# Altium PCB GEM_AFE_128.PcbDoc (part 11 of 18) (continued)
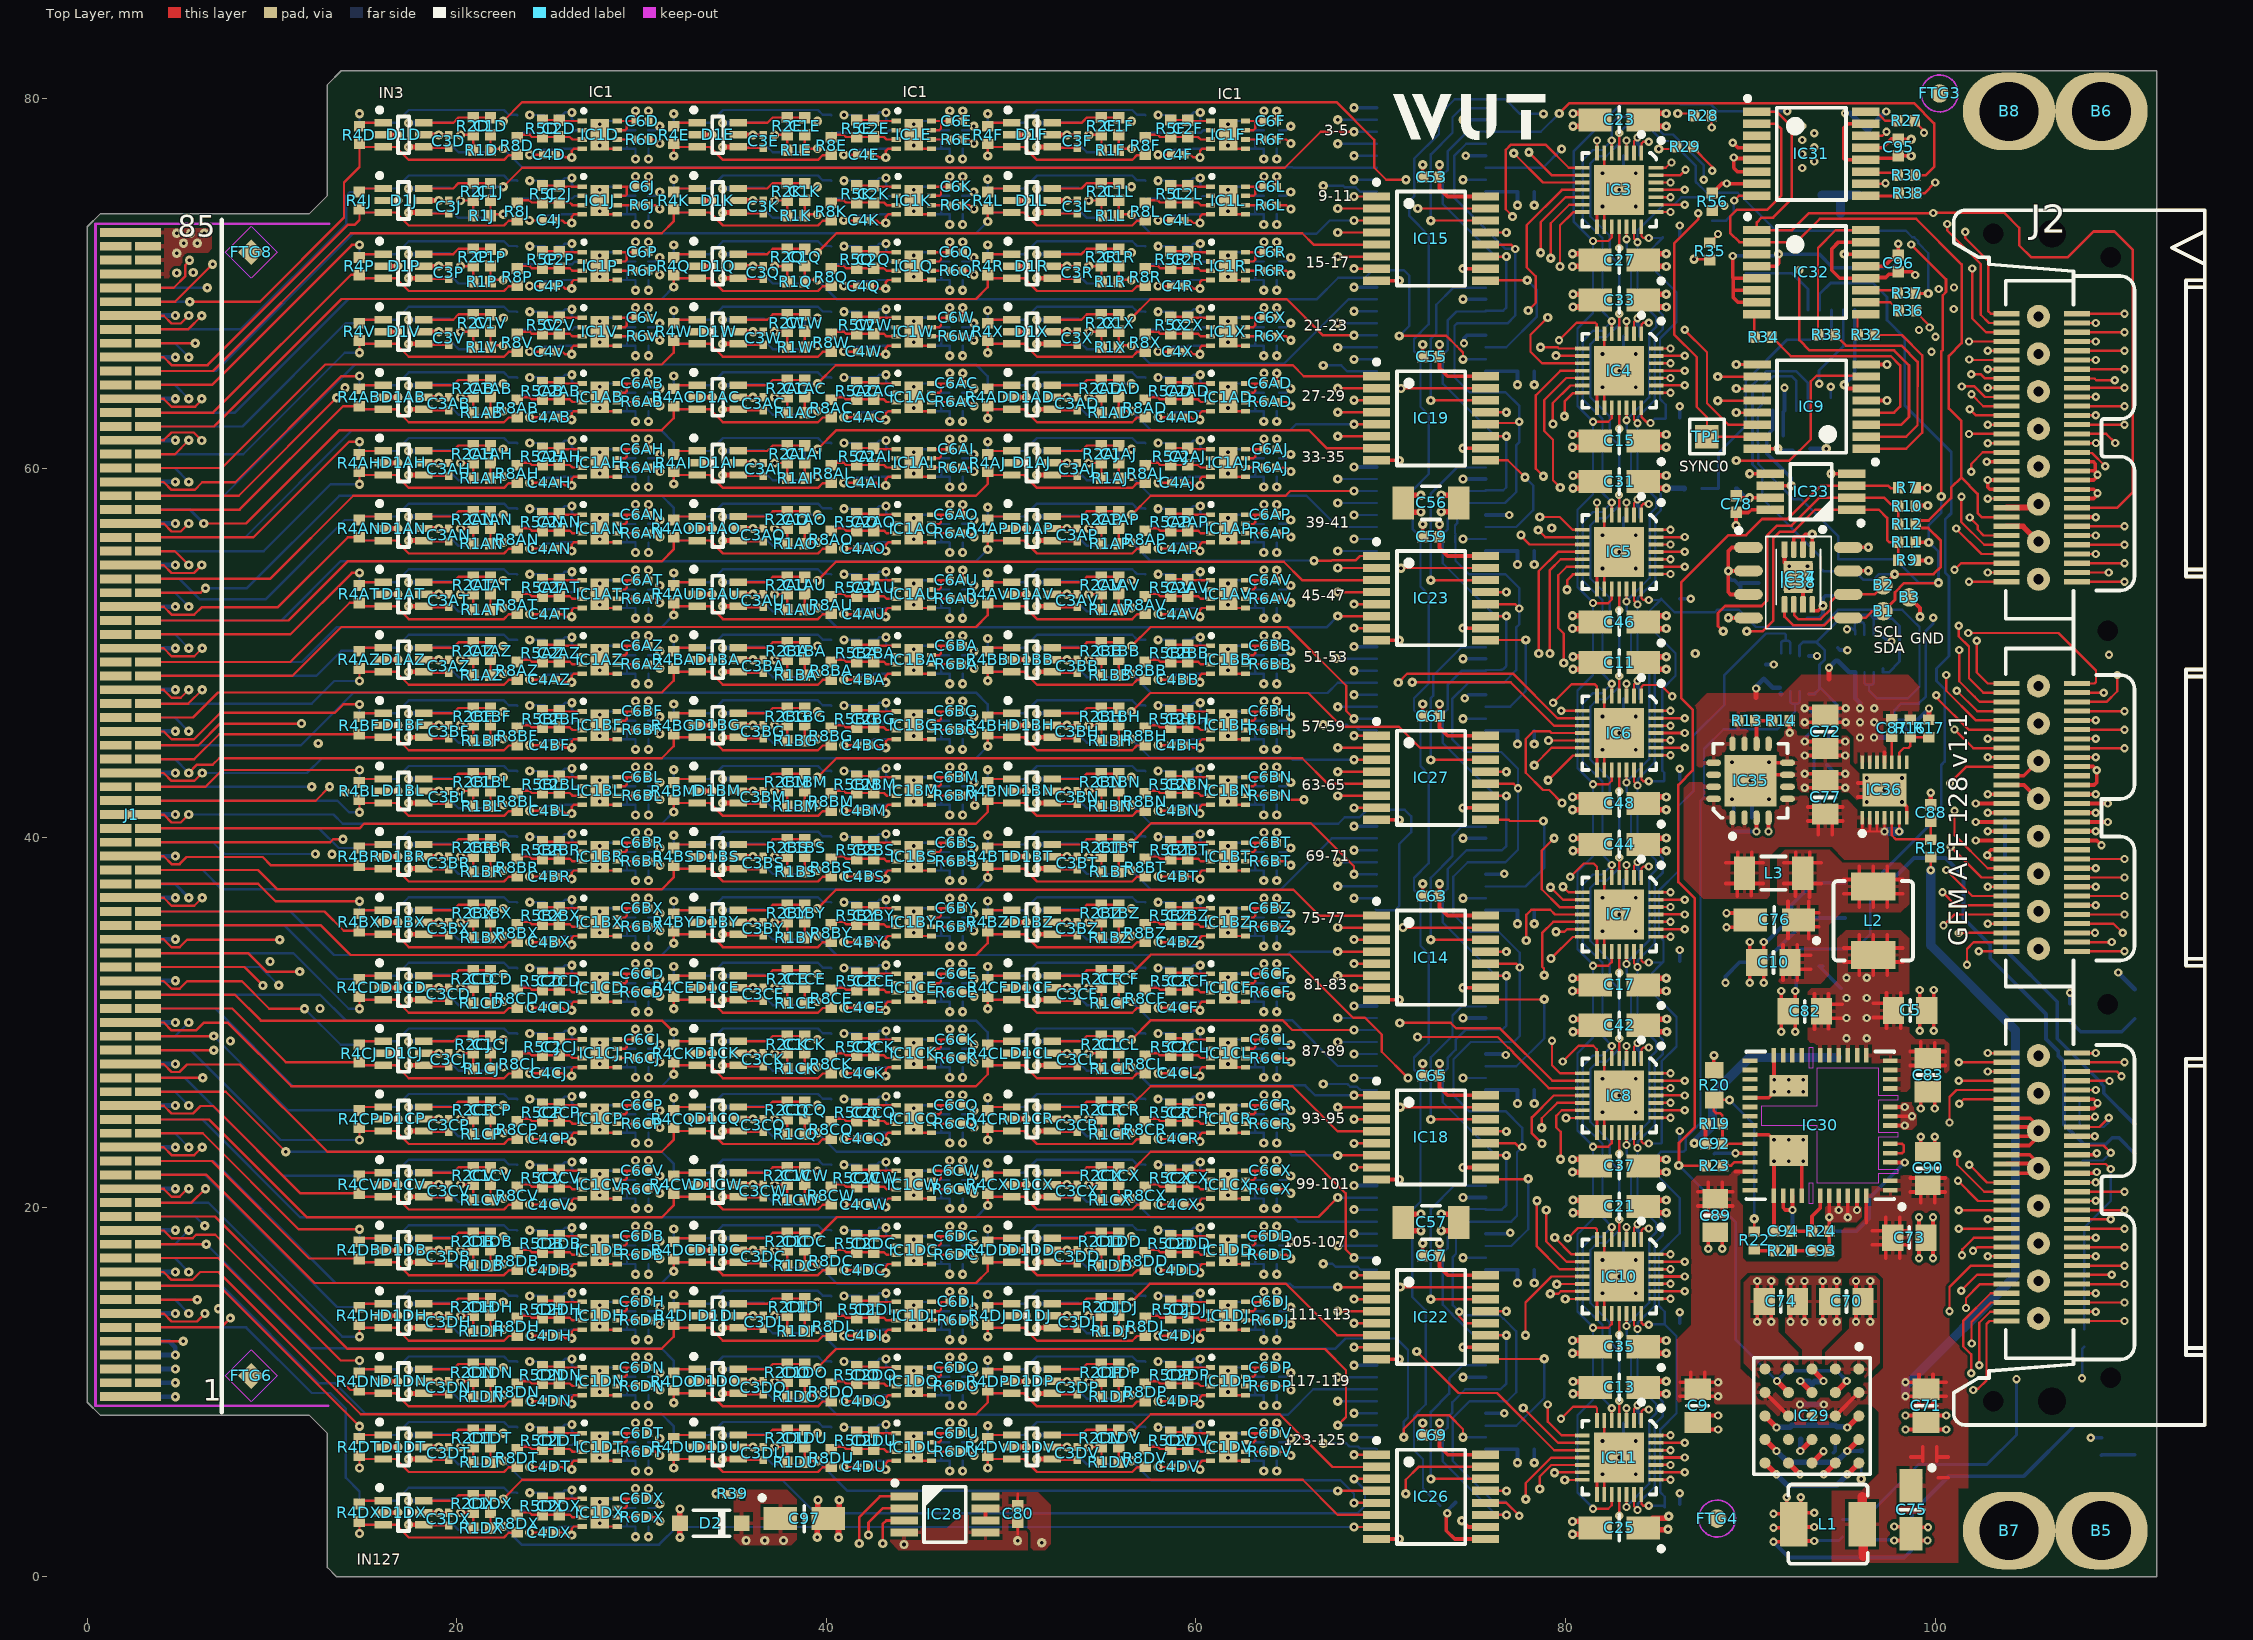
[diagram p0: Top Layer view]
## Nets (pads, with @x,y where several pads share a name; then routed paths per layer and width w, separated by ;. In a path a pad name is that pad's centre, name@x,y a point inside that pad or via, vN(x,y) a via of type N, cw(c..) or ccw(c..) an arc to the next point about the centre after c; other vN are vias at no path point) (continued)
NetC2AB_1: C2AB.1 IC1AB.3 R5AB.1 R8AB.2 | length 3.5
  Top Layer w0.127: R8AB.2@23.266,63.833 23.942,63.833 24.06,63.715 R5AB.1@24.564,63.715 ; R8AB.2@23.289,63.7 R8AB.2@23.304,63.715 ; R5AB.1@24.544,63.695 R5AB.1@24.564,63.715 ; IC1AB.3@26.575,63.575 26.258,63.575 26.118,63.715 25.543,63.715 R5AB.1@24.564,63.715
NetC2AB_2: C2AB.2 IC1AB.1 R5AB.2 | length 2.2
  Top Layer w0.127: R5AB.2@24.628,64.635 25.523,64.635 25.543,64.615 25.583,64.575 IC1AB.1@26.775,64.575
NetC2AC_1: C2AC.1 IC1AC.3 R5AC.1 R8AC.2 | length 3.5
  Top Layer w0.127: R8AC.2@40.266,63.833 40.942,63.833 41.06,63.715 R5AC.1@41.564,63.715 ; R8AC.2@40.289,63.7 R8AC.2@40.304,63.715 ; R5AC.1@41.544,63.695 R5AC.1@41.564,63.715 ; C2AC.1@42.543,63.715 R5AC.1@41.564,63.715 ; C2AC.1@42.543,63.715 43.118,63.715 43.258,63.575 IC1AC.3@43.575,63.575
NetC2AC_2: C2AC.2 IC1AC.1 R5AC.2 | length 2.2
  Top Layer w0.127: R5AC.2@41.628,64.635 42.523,64.635 42.543,64.615 42.583,64.575 IC1AC.1@43.775,64.575
NetC2AD_1: C2AD.1 IC1AD.3 R5AD.1 R8AD.2 | length 3.5
  Top Layer w0.127: R8AD.2@57.266,63.833 57.942,63.833 58.06,63.715 R5AD.1@58.564,63.715 ; R8AD.2@57.289,63.7 R8AD.2@57.304,63.715 ; R5AD.1@58.544,63.695 R5AD.1@58.564,63.715 ; IC1AD.3@60.575,63.575 60.258,63.575 60.118,63.715 59.543,63.715 R5AD.1@58.564,63.715
NetC2AD_2: C2AD.2 IC1AD.1 R5AD.2 | length 2.2
  Top Layer w0.127: R5AD.2@58.628,64.635 59.523,64.635 59.543,64.615 59.583,64.575 IC1AD.1@60.775,64.575
NetC2AE_1: C2AE.1 IC1AE.3 R5AE.1 R8AE.2 | length 3.3
  Bottom Layer w0.127: R8AE.2@23.3,60.4 R8AE.2@23.315,60.385 ; R8AE.2@23.565,60.385 24.639,60.385 26.255,60.385 26.389,60.519 26.78,60.519 IC1AE.3@26.786,60.525
NetC2AE_2: C2AE.2 IC1AE.1 R5AE.2 | length 2
  Bottom Layer w0.127: R5AE.2@24.639,59.465 25.533,59.465 25.553,59.485 25.593,59.525 IC1AE.1@26.586,59.525
NetC2AF_1: C2AF.1 IC1AF.3 R5AF.1 R8AF.2 | length 3.3
  Bottom Layer w0.127: R8AF.2@40.3,60.4 R8AF.2@40.315,60.385 ; R8AF.2@40.565,60.385 41.639,60.385 43.255,60.385 43.389,60.519 43.78,60.519 IC1AF.3@43.786,60.525
NetC2AF_2: C2AF.2 IC1AF.1 R5AF.2 | length 2
  Bottom Layer w0.127: R5AF.2@41.639,59.465 42.533,59.465 42.553,59.485 42.593,59.525 IC1AF.1@43.586,59.525
NetC2AG_1: C2AG.1 IC1AG.3 R5AG.1 R8AG.2 | length 3.3
  Bottom Layer w0.127: R8AG.2@57.3,60.4 R8AG.2@57.315,60.385 ; R8AG.2@57.565,60.385 58.639,60.385 60.255,60.385 60.389,60.519 60.78,60.519 IC1AG.3@60.786,60.525
NetC2AG_2: C2AG.2 IC1AG.1 R5AG.2 | length 2
  Bottom Layer w0.127: R5AG.2@58.639,59.465 59.533,59.465 59.553,59.485 59.593,59.525 IC1AG.1@60.586,59.525
NetC2AH_1: C2AH.1 IC1AH.3 R5AH.1 R8AH.2 | length 3.5
  Top Layer w0.127: R8AH.2@23.266,60.283 23.942,60.283 24.06,60.165 R5AH.1@24.564,60.165 ; R8AH.2@23.289,60.15 R8AH.2@23.304,60.165 ; R5AH.1@24.544,60.145 R5AH.1@24.564,60.165 ; IC1AH.3@26.575,60.025 26.258,60.025 26.118,60.165 25.543,60.165 R5AH.1@24.564,60.165
NetC2AH_2: C2AH.2 IC1AH.1 R5AH.2 | length 2.2
  Top Layer w0.127: R5AH.2@24.628,61.085 25.523,61.085 25.543,61.065 25.583,61.025 IC1AH.1@26.775,61.025
NetC2AI_1: C2AI.1 IC1AI.3 R5AI.1 R8AI.2 | length 3.5
  Top Layer w0.127: R8AI.2@40.266,60.283 40.942,60.283 41.06,60.165 R5AI.1@41.564,60.165 ; R8AI.2@40.289,60.15 R8AI.2@40.304,60.165 ; R5AI.1@41.544,60.145 R5AI.1@41.564,60.165 ; C2AI.1@42.543,60.165 R5AI.1@41.564,60.165 ; C2AI.1@42.543,60.165 43.118,60.165 43.258,60.025 IC1AI.3@43.575,60.025
NetC2AI_2: C2AI.2 IC1AI.1 R5AI.2 | length 2.2
  Top Layer w0.127: R5AI.2@41.628,61.085 42.523,61.085 42.543,61.065 42.583,61.025 IC1AI.1@43.775,61.025
NetC2AJ_1: C2AJ.1 IC1AJ.3 R5AJ.1 R8AJ.2 | length 3.5
  Top Layer w0.127: R8AJ.2@57.266,60.283 57.942,60.283 58.06,60.165 R5AJ.1@58.564,60.165 ; R8AJ.2@57.289,60.15 R8AJ.2@57.304,60.165 ; R5AJ.1@58.544,60.145 R5AJ.1@58.564,60.165 ; IC1AJ.3@60.575,60.025 60.258,60.025 60.118,60.165 59.543,60.165 R5AJ.1@58.564,60.165
NetC2AJ_2: C2AJ.2 IC1AJ.1 R5AJ.2 | length 2.2
  Top Layer w0.127: R5AJ.2@58.628,61.085 59.523,61.085 59.543,61.065 59.583,61.025 IC1AJ.1@60.775,61.025
NetC2AK_1: C2AK.1 IC1AK.3 R5AK.1 R8AK.2 | length 3.3
  Bottom Layer w0.127: R8AK.2@23.3,56.85 R8AK.2@23.315,56.835 ; R8AK.2@23.565,56.835 24.639,56.835 26.255,56.835 26.389,56.969 26.78,56.969 IC1AK.3@26.786,56.975
NetC2AK_2: C2AK.2 IC1AK.1 R5AK.2 | length 2
  Bottom Layer w0.127: R5AK.2@24.639,55.915 25.533,55.915 25.553,55.935 25.593,55.975 IC1AK.1@26.586,55.975
NetC2AL_1: C2AL.1 IC1AL.3 R5AL.1 R8AL.2 | length 3.3
  Bottom Layer w0.127: R8AL.2@40.3,56.85 R8AL.2@40.315,56.835 ; R8AL.2@40.565,56.835 41.639,56.835 43.255,56.835 43.389,56.969 43.78,56.969 IC1AL.3@43.786,56.975
NetC2AL_2: C2AL.2 IC1AL.1 R5AL.2 | length 2
  Bottom Layer w0.127: R5AL.2@41.639,55.915 42.533,55.915 42.553,55.935 42.593,55.975 IC1AL.1@43.586,55.975
NetC2AM_1: C2AM.1 IC1AM.3 R5AM.1 R8AM.2 | length 3.3
  Bottom Layer w0.127: R8AM.2@57.3,56.85 R8AM.2@57.315,56.835 ; R8AM.2@57.565,56.835 58.639,56.835 60.255,56.835 60.389,56.969 60.78,56.969 IC1AM.3@60.786,56.975
NetC2AM_2: C2AM.2 IC1AM.1 R5AM.2 | length 2
  Bottom Layer w0.127: R5AM.2@58.639,55.915 59.533,55.915 59.553,55.935 59.593,55.975 IC1AM.1@60.586,55.975
NetC2AN_1: C2AN.1 IC1AN.3 R5AN.1 R8AN.2 | length 3.5
  Top Layer w0.127: R8AN.2@23.266,56.733 23.942,56.733 24.06,56.615 R5AN.1@24.564,56.615 ; R8AN.2@23.289,56.6 R8AN.2@23.304,56.615 ; R5AN.1@24.544,56.595 R5AN.1@24.564,56.615 ; IC1AN.3@26.575,56.475 26.258,56.475 26.118,56.615 25.543,56.615 R5AN.1@24.564,56.615
NetC2AN_2: C2AN.2 IC1AN.1 R5AN.2 | length 2.2
  Top Layer w0.127: R5AN.2@24.628,57.535 25.523,57.535 25.543,57.515 25.583,57.475 IC1AN.1@26.775,57.475
NetC2AO_1: C2AO.1 IC1AO.3 R5AO.1 R8AO.2 | length 3.5
  Top Layer w0.127: R8AO.2@40.266,56.733 40.942,56.733 41.06,56.615 R5AO.1@41.564,56.615 ; R8AO.2@40.289,56.6 R8AO.2@40.304,56.615 ; R5AO.1@41.544,56.595 R5AO.1@41.564,56.615 ; C2AO.1@42.543,56.615 R5AO.1@41.564,56.615 ; C2AO.1@42.543,56.615 43.118,56.615 43.258,56.475 IC1AO.3@43.575,56.475
NetC2AO_2: C2AO.2 IC1AO.1 R5AO.2 | length 2.2
  Top Layer w0.127: R5AO.2@41.628,57.535 42.523,57.535 42.543,57.515 42.583,57.475 IC1AO.1@43.775,57.475
NetC2AP_1: C2AP.1 IC1AP.3 R5AP.1 R8AP.2 | length 3.5
  Top Layer w0.127: R8AP.2@57.266,56.733 57.942,56.733 58.06,56.615 R5AP.1@58.564,56.615 ; R8AP.2@57.289,56.6 R8AP.2@57.304,56.615 ; R5AP.1@58.544,56.595 R5AP.1@58.564,56.615 ; IC1AP.3@60.575,56.475 60.258,56.475 60.118,56.615 59.543,56.615 R5AP.1@58.564,56.615
NetC2AP_2: C2AP.2 IC1AP.1 R5AP.2 | length 2.2
  Top Layer w0.127: R5AP.2@58.628,57.535 59.523,57.535 59.543,57.515 59.583,57.475 IC1AP.1@60.775,57.475
NetC2AQ_1: C2AQ.1 IC1AQ.3 R5AQ.1 R8AQ.2 | length 3.3
  Bottom Layer w0.127: R8AQ.2@23.3,53.3 R8AQ.2@23.315,53.285 ; R8AQ.2@23.565,53.285 24.639,53.285 26.255,53.285 26.389,53.419 26.78,53.419 IC1AQ.3@26.786,53.425
NetC2AQ_2: C2AQ.2 IC1AQ.1 R5AQ.2 | length 2
  Bottom Layer w0.127: R5AQ.2@24.639,52.365 25.533,52.365 25.553,52.385 25.593,52.425 IC1AQ.1@26.586,52.425
NetC2AR_1: C2AR.1 IC1AR.3 R5AR.1 R8AR.2 | length 3.3
  Bottom Layer w0.127: R8AR.2@40.3,53.3 R8AR.2@40.315,53.285 ; R8AR.2@40.565,53.285 41.639,53.285 43.255,53.285 43.389,53.419 43.78,53.419 IC1AR.3@43.786,53.425
NetC2AR_2: C2AR.2 IC1AR.1 R5AR.2 | length 2
  Bottom Layer w0.127: R5AR.2@41.639,52.365 42.533,52.365 42.553,52.385 42.593,52.425 IC1AR.1@43.586,52.425
NetC2AS_1: C2AS.1 IC1AS.3 R5AS.1 R8AS.2 | length 3.3
  Bottom Layer w0.127: R8AS.2@57.3,53.3 R8AS.2@57.315,53.285 ; R8AS.2@57.565,53.285 58.639,53.285 60.255,53.285 60.389,53.419 60.78,53.419 IC1AS.3@60.786,53.425
NetC2AS_2: C2AS.2 IC1AS.1 R5AS.2 | length 2
  Bottom Layer w0.127: R5AS.2@58.639,52.365 59.533,52.365 59.553,52.385 59.593,52.425 IC1AS.1@60.586,52.425
NetC2AT_1: C2AT.1 IC1AT.3 R5AT.1 R8AT.2 | length 3.5
  Top Layer w0.127: R8AT.2@23.266,53.183 23.942,53.183 24.06,53.065 R5AT.1@24.564,53.065 ; R8AT.2@23.289,53.05 R8AT.2@23.304,53.065 ; R5AT.1@24.544,53.045 R5AT.1@24.564,53.065 ; IC1AT.3@26.575,52.925 26.258,52.925 26.118,53.065 25.543,53.065 R5AT.1@24.564,53.065
NetC2AT_2: C2AT.2 IC1AT.1 R5AT.2 | length 2.2
  Top Layer w0.127: R5AT.2@24.628,53.985 25.523,53.985 25.543,53.965 25.583,53.925 IC1AT.1@26.775,53.925
NetC2AU_1: C2AU.1 IC1AU.3 R5AU.1 R8AU.2 | length 3.5
  Top Layer w0.127: R8AU.2@40.266,53.183 40.942,53.183 41.06,53.065 R5AU.1@41.564,53.065 ; R8AU.2@40.289,53.05 R8AU.2@40.304,53.065 ; R5AU.1@41.544,53.045 R5AU.1@41.564,53.065 ; C2AU.1@42.543,53.065 R5AU.1@41.564,53.065 ; C2AU.1@42.543,53.065 43.118,53.065 43.258,52.925 IC1AU.3@43.575,52.925
NetC2AU_2: C2AU.2 IC1AU.1 R5AU.2 | length 2.2
  Top Layer w0.127: R5AU.2@41.628,53.985 42.523,53.985 42.543,53.965 42.583,53.925 IC1AU.1@43.775,53.925
NetC2AV_1: C2AV.1 IC1AV.3 R5AV.1 R8AV.2 | length 3.5
  Top Layer w0.127: R8AV.2@57.266,53.183 57.942,53.183 58.06,53.065 R5AV.1@58.564,53.065 ; R8AV.2@57.289,53.05 R8AV.2@57.304,53.065 ; R5AV.1@58.544,53.045 R5AV.1@58.564,53.065 ; IC1AV.3@60.575,52.925 60.258,52.925 60.118,53.065 59.543,53.065 R5AV.1@58.564,53.065
NetC2AV_2: C2AV.2 IC1AV.1 R5AV.2 | length 2.2
  Top Layer w0.127: R5AV.2@58.628,53.985 59.523,53.985 59.543,53.965 59.583,53.925 IC1AV.1@60.775,53.925
NetC2AW_1: C2AW.1 IC1AW.3 R5AW.1 R8AW.2 | length 3.3
  Bottom Layer w0.127: R8AW.2@23.3,49.75 R8AW.2@23.315,49.735 ; R8AW.2@23.565,49.735 24.639,49.735 26.255,49.735 26.389,49.869 26.78,49.869 IC1AW.3@26.786,49.875
NetC2AW_2: C2AW.2 IC1AW.1 R5AW.2 | length 2
  Bottom Layer w0.127: R5AW.2@24.639,48.815 25.533,48.815 25.553,48.835 25.593,48.875 IC1AW.1@26.586,48.875
NetC2AX_1: C2AX.1 IC1AX.3 R5AX.1 R8AX.2 | length 3.3
  Bottom Layer w0.127: R8AX.2@40.3,49.75 R8AX.2@40.315,49.735 ; R8AX.2@40.565,49.735 41.639,49.735 43.255,49.735 43.389,49.869 43.78,49.869 IC1AX.3@43.786,49.875
NetC2AX_2: C2AX.2 IC1AX.1 R5AX.2 | length 2
  Bottom Layer w0.127: R5AX.2@41.639,48.815 42.533,48.815 42.553,48.835 42.593,48.875 IC1AX.1@43.586,48.875
NetC2AY_1: C2AY.1 IC1AY.3 R5AY.1 R8AY.2 | length 3.3
  Bottom Layer w0.127: R8AY.2@57.3,49.75 R8AY.2@57.315,49.735 ; R8AY.2@57.565,49.735 58.639,49.735 60.255,49.735 60.389,49.869 60.78,49.869 IC1AY.3@60.786,49.875
NetC2AY_2: C2AY.2 IC1AY.1 R5AY.2 | length 2
  Bottom Layer w0.127: R5AY.2@58.639,48.815 59.533,48.815 59.553,48.835 59.593,48.875 IC1AY.1@60.586,48.875
NetC2AZ_1: C2AZ.1 IC1AZ.3 R5AZ.1 R8AZ.2 | length 3.5
  Top Layer w0.127: R8AZ.2@23.266,49.633 23.942,49.633 24.06,49.515 R5AZ.1@24.564,49.515 ; R8AZ.2@23.289,49.5 R8AZ.2@23.304,49.515 ; R5AZ.1@24.544,49.495 R5AZ.1@24.564,49.515 ; IC1AZ.3@26.575,49.375 26.258,49.375 26.118,49.515 25.543,49.515 R5AZ.1@24.564,49.515
NetC2AZ_2: C2AZ.2 IC1AZ.1 R5AZ.2 | length 2.2
  Top Layer w0.127: R5AZ.2@24.628,50.435 25.523,50.435 25.543,50.415 25.583,50.375 IC1AZ.1@26.775,50.375
NetC2B_1: C2B.1 IC1B.3 R5B.1 R8B.2 | length 3.3
  Bottom Layer w0.127: R8B.2@40.3,78.15 R8B.2@40.315,78.135 ; R8B.2@40.565,78.135 41.639,78.135 43.255,78.135 43.389,78.269 43.78,78.269 IC1B.3@43.786,78.275
NetC2B_2: C2B.2 IC1B.1 R5B.2 | length 2
  Bottom Layer w0.127: R5B.2@41.639,77.215 42.533,77.215 42.553,77.235 42.593,77.275 IC1B.1@43.586,77.275
NetC2BA_1: C2BA.1 IC1BA.3 R5BA.1 R8BA.2 | length 3.5
  Top Layer w0.127: R8BA.2@40.266,49.633 40.942,49.633 41.06,49.515 R5BA.1@41.564,49.515 ; R8BA.2@40.289,49.5 R8BA.2@40.304,49.515 ; R5BA.1@41.544,49.495 R5BA.1@41.564,49.515 ; C2BA.1@42.543,49.515 R5BA.1@41.564,49.515 ; C2BA.1@42.543,49.515 43.118,49.515 43.258,49.375 IC1BA.3@43.575,49.375
NetC2BA_2: C2BA.2 IC1BA.1 R5BA.2 | length 2.2
  Top Layer w0.127: R5BA.2@41.628,50.435 42.523,50.435 42.543,50.415 42.583,50.375 IC1BA.1@43.775,50.375
NetC2BB_1: C2BB.1 IC1BB.3 R5BB.1 R8BB.2 | length 3.5
  Top Layer w0.127: R8BB.2@57.266,49.633 57.942,49.633 58.06,49.515 R5BB.1@58.564,49.515 ; R8BB.2@57.289,49.5 R8BB.2@57.304,49.515 ; R5BB.1@58.544,49.495 R5BB.1@58.564,49.515 ; IC1BB.3@60.575,49.375 60.258,49.375 60.118,49.515 59.543,49.515 R5BB.1@58.564,49.515
NetC2BB_2: C2BB.2 IC1BB.1 R5BB.2 | length 2.2
  Top Layer w0.127: R5BB.2@58.628,50.435 59.523,50.435 59.543,50.415 59.583,50.375 IC1BB.1@60.775,50.375
NetC2BC_1: C2BC.1 IC1BC.3 R5BC.1 R8BC.2 | length 3.3
  Bottom Layer w0.127: R8BC.2@23.3,46.2 R8BC.2@23.315,46.185 ; R8BC.2@23.565,46.185 24.639,46.185 26.255,46.185 26.389,46.319 26.78,46.319 IC1BC.3@26.786,46.325
NetC2BC_2: C2BC.2 IC1BC.1 R5BC.2 | length 2
  Bottom Layer w0.127: R5BC.2@24.639,45.265 25.533,45.265 25.553,45.285 25.593,45.325 IC1BC.1@26.586,45.325
NetC2BD_1: C2BD.1 IC1BD.3 R5BD.1 R8BD.2 | length 3.3
  Bottom Layer w0.127: R8BD.2@40.3,46.2 R8BD.2@40.315,46.185 ; R8BD.2@40.565,46.185 41.639,46.185 43.255,46.185 43.389,46.319 43.78,46.319 IC1BD.3@43.786,46.325
NetC2BD_2: C2BD.2 IC1BD.1 R5BD.2 | length 2
  Bottom Layer w0.127: R5BD.2@41.639,45.265 42.533,45.265 42.553,45.285 42.593,45.325 IC1BD.1@43.586,45.325
NetC2BE_1: C2BE.1 IC1BE.3 R5BE.1 R8BE.2 | length 3.3
  Bottom Layer w0.127: R8BE.2@57.3,46.2 R8BE.2@57.315,46.185 ; R8BE.2@57.565,46.185 58.639,46.185 60.255,46.185 60.389,46.319 60.78,46.319 IC1BE.3@60.786,46.325
NetC2BE_2: C2BE.2 IC1BE.1 R5BE.2 | length 2
  Bottom Layer w0.127: R5BE.2@58.639,45.265 59.533,45.265 59.553,45.285 59.593,45.325 IC1BE.1@60.586,45.325
NetC2BF_1: C2BF.1 IC1BF.3 R5BF.1 R8BF.2 | length 3.5
  Top Layer w0.127: R8BF.2@23.266,46.083 23.942,46.083 24.06,45.965 R5BF.1@24.564,45.965 ; R8BF.2@23.289,45.95 R8BF.2@23.304,45.965 ; R5BF.1@24.544,45.945 R5BF.1@24.564,45.965 ; C2BF.1@25.543,45.965 26.118,45.965 26.258,45.825 IC1BF.3@26.575,45.825 ; C2BF.1@25.543,45.965 R5BF.1@24.564,45.965
NetC2BF_2: C2BF.2 IC1BF.1 R5BF.2 | length 2.2
  Top Layer w0.127: R5BF.2@24.628,46.885 25.523,46.885 25.543,46.865 25.583,46.825 IC1BF.1@26.775,46.825
NetC2BG_1: C2BG.1 IC1BG.3 R5BG.1 R8BG.2 | length 3.5
  Top Layer w0.127: R8BG.2@40.266,46.083 40.942,46.083 41.06,45.965 R5BG.1@41.564,45.965 ; R8BG.2@40.289,45.95 R8BG.2@40.304,45.965 ; R5BG.1@41.544,45.945 R5BG.1@41.564,45.965 ; C2BG.1@42.543,45.965 R5BG.1@41.564,45.965 ; C2BG.1@42.543,45.965 43.118,45.965 43.258,45.825 IC1BG.3@43.575,45.825
NetC2BG_2: C2BG.2 IC1BG.1 R5BG.2 | length 2.2
  Top Layer w0.127: R5BG.2@41.628,46.885 42.523,46.885 42.543,46.865 42.583,46.825 IC1BG.1@43.775,46.825
NetC2BH_1: C2BH.1 IC1BH.3 R5BH.1 R8BH.2 | length 3.5
  Top Layer w0.127: R8BH.2@57.266,46.083 57.942,46.083 58.06,45.965 R5BH.1@58.564,45.965 ; R8BH.2@57.289,45.95 R8BH.2@57.304,45.965 ; R5BH.1@58.544,45.945 R5BH.1@58.564,45.965 ; C2BH.1@59.543,45.965 60.118,45.965 60.258,45.825 IC1BH.3@60.575,45.825 ; C2BH.1@59.543,45.965 R5BH.1@58.564,45.965
NetC2BH_2: C2BH.2 IC1BH.1 R5BH.2 | length 2.2
  Top Layer w0.127: R5BH.2@58.628,46.885 59.523,46.885 59.543,46.865 59.583,46.825 IC1BH.1@60.775,46.825
NetC2BI_1: C2BI.1 IC1BI.3 R5BI.1 R8BI.2 | length 3.3
  Bottom Layer w0.127: R8BI.2@23.3,42.65 R8BI.2@23.315,42.635 ; R8BI.2@23.565,42.635 24.639,42.635 26.255,42.635 26.389,42.769 26.78,42.769 IC1BI.3@26.786,42.775
NetC2BI_2: C2BI.2 IC1BI.1 R5BI.2 | length 2
  Bottom Layer w0.127: R5BI.2@24.639,41.715 25.533,41.715 25.553,41.735 25.593,41.775 IC1BI.1@26.586,41.775
NetC2BJ_1: C2BJ.1 IC1BJ.3 R5BJ.1 R8BJ.2 | length 3.3
  Bottom Layer w0.127: R8BJ.2@40.3,42.65 R8BJ.2@40.315,42.635 ; R8BJ.2@40.565,42.635 41.639,42.635 43.255,42.635 43.389,42.769 43.78,42.769 IC1BJ.3@43.786,42.775
NetC2BJ_2: C2BJ.2 IC1BJ.1 R5BJ.2 | length 2
  Bottom Layer w0.127: R5BJ.2@41.639,41.715 42.533,41.715 42.553,41.735 42.593,41.775 IC1BJ.1@43.586,41.775
NetC2BK_1: C2BK.1 IC1BK.3 R5BK.1 R8BK.2 | length 3.3
  Bottom Layer w0.127: R8BK.2@57.3,42.65 R8BK.2@57.315,42.635 ; R8BK.2@57.565,42.635 58.639,42.635 60.255,42.635 60.389,42.769 60.78,42.769 IC1BK.3@60.786,42.775
NetC2BK_2: C2BK.2 IC1BK.1 R5BK.2 | length 2
  Bottom Layer w0.127: R5BK.2@58.639,41.715 59.533,41.715 59.553,41.735 59.593,41.775 IC1BK.1@60.586,41.775
NetC2BL_1: C2BL.1 IC1BL.3 R5BL.1 R8BL.2 | length 3.5
  Top Layer w0.127: R8BL.2@23.266,42.533 23.942,42.533 24.06,42.415 R5BL.1@24.564,42.415 ; R8BL.2@23.289,42.4 R8BL.2@23.304,42.415 ; R5BL.1@24.544,42.395 R5BL.1@24.564,42.415 ; IC1BL.3@26.575,42.275 26.258,42.275 26.118,42.415 25.543,42.415 R5BL.1@24.564,42.415
NetC2BL_2: C2BL.2 IC1BL.1 R5BL.2 | length 2.2
  Top Layer w0.127: R5BL.2@24.628,43.335 25.523,43.335 25.543,43.315 25.583,43.275 IC1BL.1@26.775,43.275
NetC2BM_1: C2BM.1 IC1BM.3 R5BM.1 R8BM.2 | length 3.5
  Top Layer w0.127: R8BM.2@40.266,42.533 40.942,42.533 41.06,42.415 R5BM.1@41.564,42.415 ; R8BM.2@40.289,42.4 R8BM.2@40.304,42.415 ; R5BM.1@41.544,42.395 R5BM.1@41.564,42.415 ; C2BM.1@42.543,42.415 R5BM.1@41.564,42.415 ; C2BM.1@42.543,42.415 43.118,42.415 43.258,42.275 IC1BM.3@43.575,42.275
NetC2BM_2: C2BM.2 IC1BM.1 R5BM.2 | length 2.2
  Top Layer w0.127: R5BM.2@41.628,43.335 42.523,43.335 42.543,43.315 42.583,43.275 IC1BM.1@43.775,43.275
NetC2BN_1: C2BN.1 IC1BN.3 R5BN.1 R8BN.2 | length 3.5
  Top Layer w0.127: R8BN.2@57.266,42.533 57.942,42.533 58.06,42.415 R5BN.1@58.564,42.415 ; R8BN.2@57.289,42.4 R8BN.2@57.304,42.415 ; R5BN.1@58.544,42.395 R5BN.1@58.564,42.415 ; IC1BN.3@60.575,42.275 60.258,42.275 60.118,42.415 59.543,42.415 R5BN.1@58.564,42.415
NetC2BN_2: C2BN.2 IC1BN.1 R5BN.2 | length 2.2
  Top Layer w0.127: R5BN.2@58.628,43.335 59.523,43.335 59.543,43.315 59.583,43.275 IC1BN.1@60.775,43.275
NetC2BO_1: C2BO.1 IC1BO.3 R5BO.1 R8BO.2 | length 3.3
  Bottom Layer w0.127: R8BO.2@23.3,39.1 R8BO.2@23.315,39.085 ; R8BO.2@23.565,39.085 24.639,39.085 26.255,39.085 26.389,39.219 26.78,39.219 IC1BO.3@26.786,39.225
NetC2BO_2: C2BO.2 IC1BO.1 R5BO.2 | length 2
  Bottom Layer w0.127: R5BO.2@24.639,38.165 25.533,38.165 25.553,38.185 25.593,38.225 IC1BO.1@26.586,38.225
NetC2BP_1: C2BP.1 IC1BP.3 R5BP.1 R8BP.2 | length 3.3
  Bottom Layer w0.127: R8BP.2@40.3,39.1 R8BP.2@40.315,39.085 ; R8BP.2@40.565,39.085 41.639,39.085 43.255,39.085 43.389,39.219 43.78,39.219 IC1BP.3@43.786,39.225
NetC2BP_2: C2BP.2 IC1BP.1 R5BP.2 | length 2
  Bottom Layer w0.127: R5BP.2@41.639,38.165 42.533,38.165 42.553,38.185 42.593,38.225 IC1BP.1@43.586,38.225
NetC2BQ_1: C2BQ.1 IC1BQ.3 R5BQ.1 R8BQ.2 | length 3.3
  Bottom Layer w0.127: R8BQ.2@57.3,39.1 R8BQ.2@57.315,39.085 ; R8BQ.2@57.565,39.085 58.639,39.085 60.255,39.085 60.389,39.219 60.78,39.219 IC1BQ.3@60.786,39.225
NetC2BQ_2: C2BQ.2 IC1BQ.1 R5BQ.2 | length 2
  Bottom Layer w0.127: R5BQ.2@58.639,38.165 59.533,38.165 59.553,38.185 59.593,38.225 IC1BQ.1@60.586,38.225
NetC2BR_1: C2BR.1 IC1BR.3 R5BR.1 R8BR.2 | length 3.5
  Top Layer w0.127: R8BR.2@23.266,38.983 23.942,38.983 24.06,38.865 R5BR.1@24.564,38.865 ; R8BR.2@23.289,38.85 R8BR.2@23.304,38.865 ; R5BR.1@24.544,38.845 R5BR.1@24.564,38.865 ; IC1BR.3@26.575,38.725 26.258,38.725 26.118,38.865 25.543,38.865 R5BR.1@24.564,38.865
NetC2BR_2: C2BR.2 IC1BR.1 R5BR.2 | length 2.2
  Top Layer w0.127: R5BR.2@24.628,39.785 25.523,39.785 25.543,39.765 25.583,39.725 IC1BR.1@26.775,39.725
NetC2BS_1: C2BS.1 IC1BS.3 R5BS.1 R8BS.2 | length 3.5
  Top Layer w0.127: R8BS.2@40.266,38.983 40.942,38.983 41.06,38.865 R5BS.1@41.564,38.865 ; R8BS.2@40.289,38.85 R8BS.2@40.304,38.865 ; R5BS.1@41.544,38.845 R5BS.1@41.564,38.865 ; C2BS.1@42.543,38.865 R5BS.1@41.564,38.865 ; C2BS.1@42.543,38.865 43.118,38.865 43.258,38.725 IC1BS.3@43.575,38.725
NetC2BS_2: C2BS.2 IC1BS.1 R5BS.2 | length 2.2
  Top Layer w0.127: R5BS.2@41.628,39.785 42.523,39.785 42.543,39.765 42.583,39.725 IC1BS.1@43.775,39.725
NetC2BT_1: C2BT.1 IC1BT.3 R5BT.1 R8BT.2 | length 3.5
  Top Layer w0.127: R8BT.2@57.266,38.983 57.942,38.983 58.06,38.865 R5BT.1@58.564,38.865 ; R8BT.2@57.289,38.85 R8BT.2@57.304,38.865 ; R5BT.1@58.544,38.845 R5BT.1@58.564,38.865 ; IC1BT.3@60.575,38.725 60.258,38.725 60.118,38.865 59.543,38.865 R5BT.1@58.564,38.865
NetC2BT_2: C2BT.2 IC1BT.1 R5BT.2 | length 2.2
  Top Layer w0.127: R5BT.2@58.628,39.785 59.523,39.785 59.543,39.765 59.583,39.725 IC1BT.1@60.775,39.725
NetC2BU_1: C2BU.1 IC1BU.3 R5BU.1 R8BU.2 | length 3.3
  Bottom Layer w0.127: R8BU.2@23.3,35.55 R8BU.2@23.315,35.535 ; R8BU.2@23.565,35.535 24.639,35.535 26.255,35.535 26.389,35.669 26.78,35.669 IC1BU.3@26.786,35.675
NetC2BU_2: C2BU.2 IC1BU.1 R5BU.2 | length 2
  Bottom Layer w0.127: R5BU.2@24.639,34.615 25.533,34.615 25.553,34.635 25.593,34.675 IC1BU.1@26.586,34.675
NetC2BV_1: C2BV.1 IC1BV.3 R5BV.1 R8BV.2 | length 3.3
  Bottom Layer w0.127: R8BV.2@40.3,35.55 R8BV.2@40.315,35.535 ; R8BV.2@40.565,35.535 41.639,35.535 43.255,35.535 43.389,35.669 43.78,35.669 IC1BV.3@43.786,35.675
NetC2BV_2: C2BV.2 IC1BV.1 R5BV.2 | length 2
  Bottom Layer w0.127: R5BV.2@41.639,34.615 42.533,34.615 42.553,34.635 42.593,34.675 IC1BV.1@43.586,34.675
NetC2BW_1: C2BW.1 IC1BW.3 R5BW.1 R8BW.2 | length 3.3
  Bottom Layer w0.127: R8BW.2@57.3,35.55 R8BW.2@57.315,35.535 ; R8BW.2@57.565,35.535 58.639,35.535 60.255,35.535 60.389,35.669 60.78,35.669 IC1BW.3@60.786,35.675
NetC2BW_2: C2BW.2 IC1BW.1 R5BW.2 | length 2
  Bottom Layer w0.127: R5BW.2@58.639,34.615 59.533,34.615 59.553,34.635 59.593,34.675 IC1BW.1@60.586,34.675
NetC2BX_1: C2BX.1 IC1BX.3 R5BX.1 R8BX.2 | length 3.5
  Top Layer w0.127: R8BX.2@23.266,35.433 23.942,35.433 24.06,35.315 R5BX.1@24.564,35.315 ; R8BX.2@23.289,35.3 R8BX.2@23.304,35.315 ; R5BX.1@24.544,35.295 R5BX.1@24.564,35.315 ; IC1BX.3@26.575,35.175 26.258,35.175 26.118,35.315 25.543,35.315 R5BX.1@24.564,35.315
NetC2BX_2: C2BX.2 IC1BX.1 R5BX.2 | length 2.2
  Top Layer w0.127: R5BX.2@24.628,36.235 25.523,36.235 25.543,36.215 25.583,36.175 IC1BX.1@26.775,36.175
NetC2BY_1: C2BY.1 IC1BY.3 R5BY.1 R8BY.2 | length 3.5
  Top Layer w0.127: R8BY.2@40.266,35.433 40.942,35.433 41.06,35.315 R5BY.1@41.564,35.315 ; R8BY.2@40.289,35.3 R8BY.2@40.304,35.315 ; R5BY.1@41.544,35.295 R5BY.1@41.564,35.315 ; C2BY.1@42.543,35.315 R5BY.1@41.564,35.315 ; C2BY.1@42.543,35.315 43.118,35.315 43.258,35.175 IC1BY.3@43.575,35.175
NetC2BY_2: C2BY.2 IC1BY.1 R5BY.2 | length 2.2
  Top Layer w0.127: R5BY.2@41.628,36.235 42.523,36.235 42.543,36.215 42.583,36.175 IC1BY.1@43.775,36.175
NetC2BZ_1: C2BZ.1 IC1BZ.3 R5BZ.1 R8BZ.2 | length 3.5
  Top Layer w0.127: R8BZ.2@57.266,35.433 57.942,35.433 58.06,35.315 R5BZ.1@58.564,35.315 ; R8BZ.2@57.289,35.3 R8BZ.2@57.304,35.315 ; R5BZ.1@58.544,35.295 R5BZ.1@58.564,35.315 ; IC1BZ.3@60.575,35.175 60.258,35.175 60.118,35.315 59.543,35.315 R5BZ.1@58.564,35.315
NetC2BZ_2: C2BZ.2 IC1BZ.1 R5BZ.2 | length 2.2
  Top Layer w0.127: R5BZ.2@58.628,36.235 59.523,36.235 59.543,36.215 59.583,36.175 IC1BZ.1@60.775,36.175
NetC2C_1: C2C.1 IC1C.3 R5C.1 R8C.2 | length 3.3
  Bottom Layer w0.127: R8C.2@57.3,78.15 R8C.2@57.315,78.135 ; R8C.2@57.565,78.135 58.639,78.135 60.255,78.135 60.389,78.269 60.78,78.269 IC1C.3@60.786,78.275
NetC2C_2: C2C.2 IC1C.1 R5C.2 | length 2
  Bottom Layer w0.127: R5C.2@58.639,77.215 59.533,77.215 59.553,77.235 59.593,77.275 IC1C.1@60.586,77.275
NetC2CA_1: C2CA.1 IC1CA.3 R5CA.1 R8CA.2 | length 3.3
  Bottom Layer w0.127: R8CA.2@23.3,32 R8CA.2@23.315,31.985 ; R8CA.2@23.565,31.985 24.639,31.985 26.255,31.985 26.389,32.119 26.78,32.119 IC1CA.3@26.786,32.125
NetC2CA_2: C2CA.2 IC1CA.1 R5CA.2 | length 2
  Bottom Layer w0.127: R5CA.2@24.639,31.065 25.533,31.065 25.553,31.085 25.593,31.125 IC1CA.1@26.586,31.125
NetC2CB_1: C2CB.1 IC1CB.3 R5CB.1 R8CB.2 | length 3.3
  Bottom Layer w0.127: R8CB.2@40.3,32 R8CB.2@40.315,31.985 ; R8CB.2@40.565,31.985 41.639,31.985 43.255,31.985 43.389,32.119 43.78,32.119 IC1CB.3@43.786,32.125
NetC2CB_2: C2CB.2 IC1CB.1 R5CB.2 | length 2
  Bottom Layer w0.127: R5CB.2@41.639,31.065 42.533,31.065 42.553,31.085 42.593,31.125 IC1CB.1@43.586,31.125
NetC2CC_1: C2CC.1 IC1CC.3 R5CC.1 R8CC.2 | length 3.3
  Bottom Layer w0.127: R8CC.2@57.3,32 R8CC.2@57.315,31.985 ; R8CC.2@57.565,31.985 58.639,31.985 60.255,31.985 60.389,32.119 60.78,32.119 IC1CC.3@60.786,32.125
NetC2CC_2: C2CC.2 IC1CC.1 R5CC.2 | length 2
  Bottom Layer w0.127: R5CC.2@58.639,31.065 59.533,31.065 59.553,31.085 59.593,31.125 IC1CC.1@60.586,31.125
NetC2CD_1: C2CD.1 IC1CD.3 R5CD.1 R8CD.2 | length 3.5
  Top Layer w0.127: R8CD.2@23.266,31.883 23.942,31.883 24.06,31.765 R5CD.1@24.564,31.765 ; R8CD.2@23.289,31.75 R8CD.2@23.304,31.765 ; R5CD.1@24.544,31.745 R5CD.1@24.564,31.765 ; IC1CD.3@26.575,31.625 26.258,31.625 26.118,31.765 25.543,31.765 R5CD.1@24.564,31.765
NetC2CD_2: C2CD.2 IC1CD.1 R5CD.2 | length 2.2
  Top Layer w0.127: R5CD.2@24.628,32.685 25.523,32.685 25.543,32.665 25.583,32.625 IC1CD.1@26.775,32.625
NetC2CE_1: C2CE.1 IC1CE.3 R5CE.1 R8CE.2 | length 3.5
  Top Layer w0.127: R8CE.2@40.266,31.883 40.942,31.883 41.06,31.765 R5CE.1@41.564,31.765 ; R8CE.2@40.289,31.75 R8CE.2@40.304,31.765 ; R5CE.1@41.544,31.745 R5CE.1@41.564,31.765 ; C2CE.1@42.543,31.765 R5CE.1@41.564,31.765 ; C2CE.1@42.543,31.765 43.118,31.765 43.258,31.625 IC1CE.3@43.575,31.625
NetC2CE_2: C2CE.2 IC1CE.1 R5CE.2 | length 2.2
  Top Layer w0.127: R5CE.2@41.628,32.685 42.523,32.685 42.543,32.665 42.583,32.625 IC1CE.1@43.775,32.625
NetC2CF_1: C2CF.1 IC1CF.3 R5CF.1 R8CF.2 | length 3.5
  Top Layer w0.127: R8CF.2@57.266,31.883 57.942,31.883 58.06,31.765 R5CF.1@58.564,31.765 ; R8CF.2@57.289,31.75 R8CF.2@57.304,31.765 ; R5CF.1@58.544,31.745 R5CF.1@58.564,31.765 ; IC1CF.3@60.575,31.625 60.258,31.625 60.118,31.765 59.543,31.765 R5CF.1@58.564,31.765
NetC2CF_2: C2CF.2 IC1CF.1 R5CF.2 | length 2.2
  Top Layer w0.127: R5CF.2@58.628,32.685 59.523,32.685 59.543,32.665 59.583,32.625 IC1CF.1@60.775,32.625
NetC2CG_1: C2CG.1 IC1CG.3 R5CG.1 R8CG.2 | length 3.3
  Bottom Layer w0.127: R8CG.2@23.3,28.45 R8CG.2@23.315,28.435 ; R8CG.2@23.565,28.435 24.639,28.435 26.255,28.435 26.389,28.569 26.78,28.569 IC1CG.3@26.786,28.575
NetC2CG_2: C2CG.2 IC1CG.1 R5CG.2 | length 2
  Bottom Layer w0.127: R5CG.2@24.639,27.515 25.533,27.515 25.553,27.535 25.593,27.575 IC1CG.1@26.586,27.575
NetC2CH_1: C2CH.1 IC1CH.3 R5CH.1 R8CH.2 | length 3.3
  Bottom Layer w0.127: R8CH.2@40.3,28.45 R8CH.2@40.315,28.435 ; R8CH.2@40.565,28.435 41.639,28.435 43.255,28.435 43.389,28.569 43.78,28.569 IC1CH.3@43.786,28.575
NetC2CH_2: C2CH.2 IC1CH.1 R5CH.2 | length 2
  Bottom Layer w0.127: R5CH.2@41.639,27.515 42.533,27.515 42.553,27.535 42.593,27.575 IC1CH.1@43.586,27.575
NetC2CI_1: C2CI.1 IC1CI.3 R5CI.1 R8CI.2 | length 3.3
  Bottom Layer w0.127: R8CI.2@57.3,28.45 R8CI.2@57.315,28.435 ; R8CI.2@57.565,28.435 58.639,28.435 60.255,28.435 60.389,28.569 60.78,28.569 IC1CI.3@60.786,28.575
NetC2CI_2: C2CI.2 IC1CI.1 R5CI.2 | length 2
  Bottom Layer w0.127: R5CI.2@58.639,27.515 59.533,27.515 59.553,27.535 59.593,27.575 IC1CI.1@60.586,27.575
NetC2CJ_1: C2CJ.1 IC1CJ.3 R5CJ.1 R8CJ.2 | length 3.5
  Top Layer w0.127: R8CJ.2@23.266,28.333 23.942,28.333 24.06,28.215 R5CJ.1@24.564,28.215 ; R8CJ.2@23.289,28.2 R8CJ.2@23.304,28.215 ; R5CJ.1@24.544,28.195 R5CJ.1@24.564,28.215 ; IC1CJ.3@26.575,28.075 26.258,28.075 26.118,28.215 25.543,28.215 R5CJ.1@24.564,28.215
NetC2CJ_2: C2CJ.2 IC1CJ.1 R5CJ.2 | length 2.2
  Top Layer w0.127: R5CJ.2@24.628,29.135 25.523,29.135 25.543,29.115 25.583,29.075 IC1CJ.1@26.775,29.075
NetC2CK_1: C2CK.1 IC1CK.3 R5CK.1 R8CK.2 | length 3.5
  Top Layer w0.127: R8CK.2@40.266,28.333 40.942,28.333 41.06,28.215 R5CK.1@41.564,28.215 ; R8CK.2@40.289,28.2 R8CK.2@40.304,28.215 ; R5CK.1@41.544,28.195 R5CK.1@41.564,28.215 ; C2CK.1@42.543,28.215 R5CK.1@41.564,28.215 ; C2CK.1@42.543,28.215 43.118,28.215 43.258,28.075 IC1CK.3@43.575,28.075
NetC2CK_2: C2CK.2 IC1CK.1 R5CK.2 | length 2.2
  Top Layer w0.127: R5CK.2@41.628,29.135 42.523,29.135 42.543,29.115 42.583,29.075 IC1CK.1@43.775,29.075
NetC2CL_1: C2CL.1 IC1CL.3 R5CL.1 R8CL.2 | length 3.5
  Top Layer w0.127: R8CL.2@57.266,28.333 57.942,28.333 58.06,28.215 R5CL.1@58.564,28.215 ; R8CL.2@57.289,28.2 R8CL.2@57.304,28.215 ; R5CL.1@58.544,28.195 R5CL.1@58.564,28.215 ; IC1CL.3@60.575,28.075 60.258,28.075 60.118,28.215 59.543,28.215 R5CL.1@58.564,28.215
NetC2CL_2: C2CL.2 IC1CL.1 R5CL.2 | length 2.2
  Top Layer w0.127: R5CL.2@58.628,29.135 59.523,29.135 59.543,29.115 59.583,29.075 IC1CL.1@60.775,29.075
NetC2CM_1: C2CM.1 IC1CM.3 R5CM.1 R8CM.2 | length 3.3
  Bottom Layer w0.127: R8CM.2@23.3,24.9 R8CM.2@23.315,24.885 ; R8CM.2@23.565,24.885 24.639,24.885 26.255,24.885 26.389,25.019 26.78,25.019 IC1CM.3@26.786,25.025